# EAGLE board Mk4 Final a Panel score (EAGLE 9.0.1), part 15 of 24 (continued)
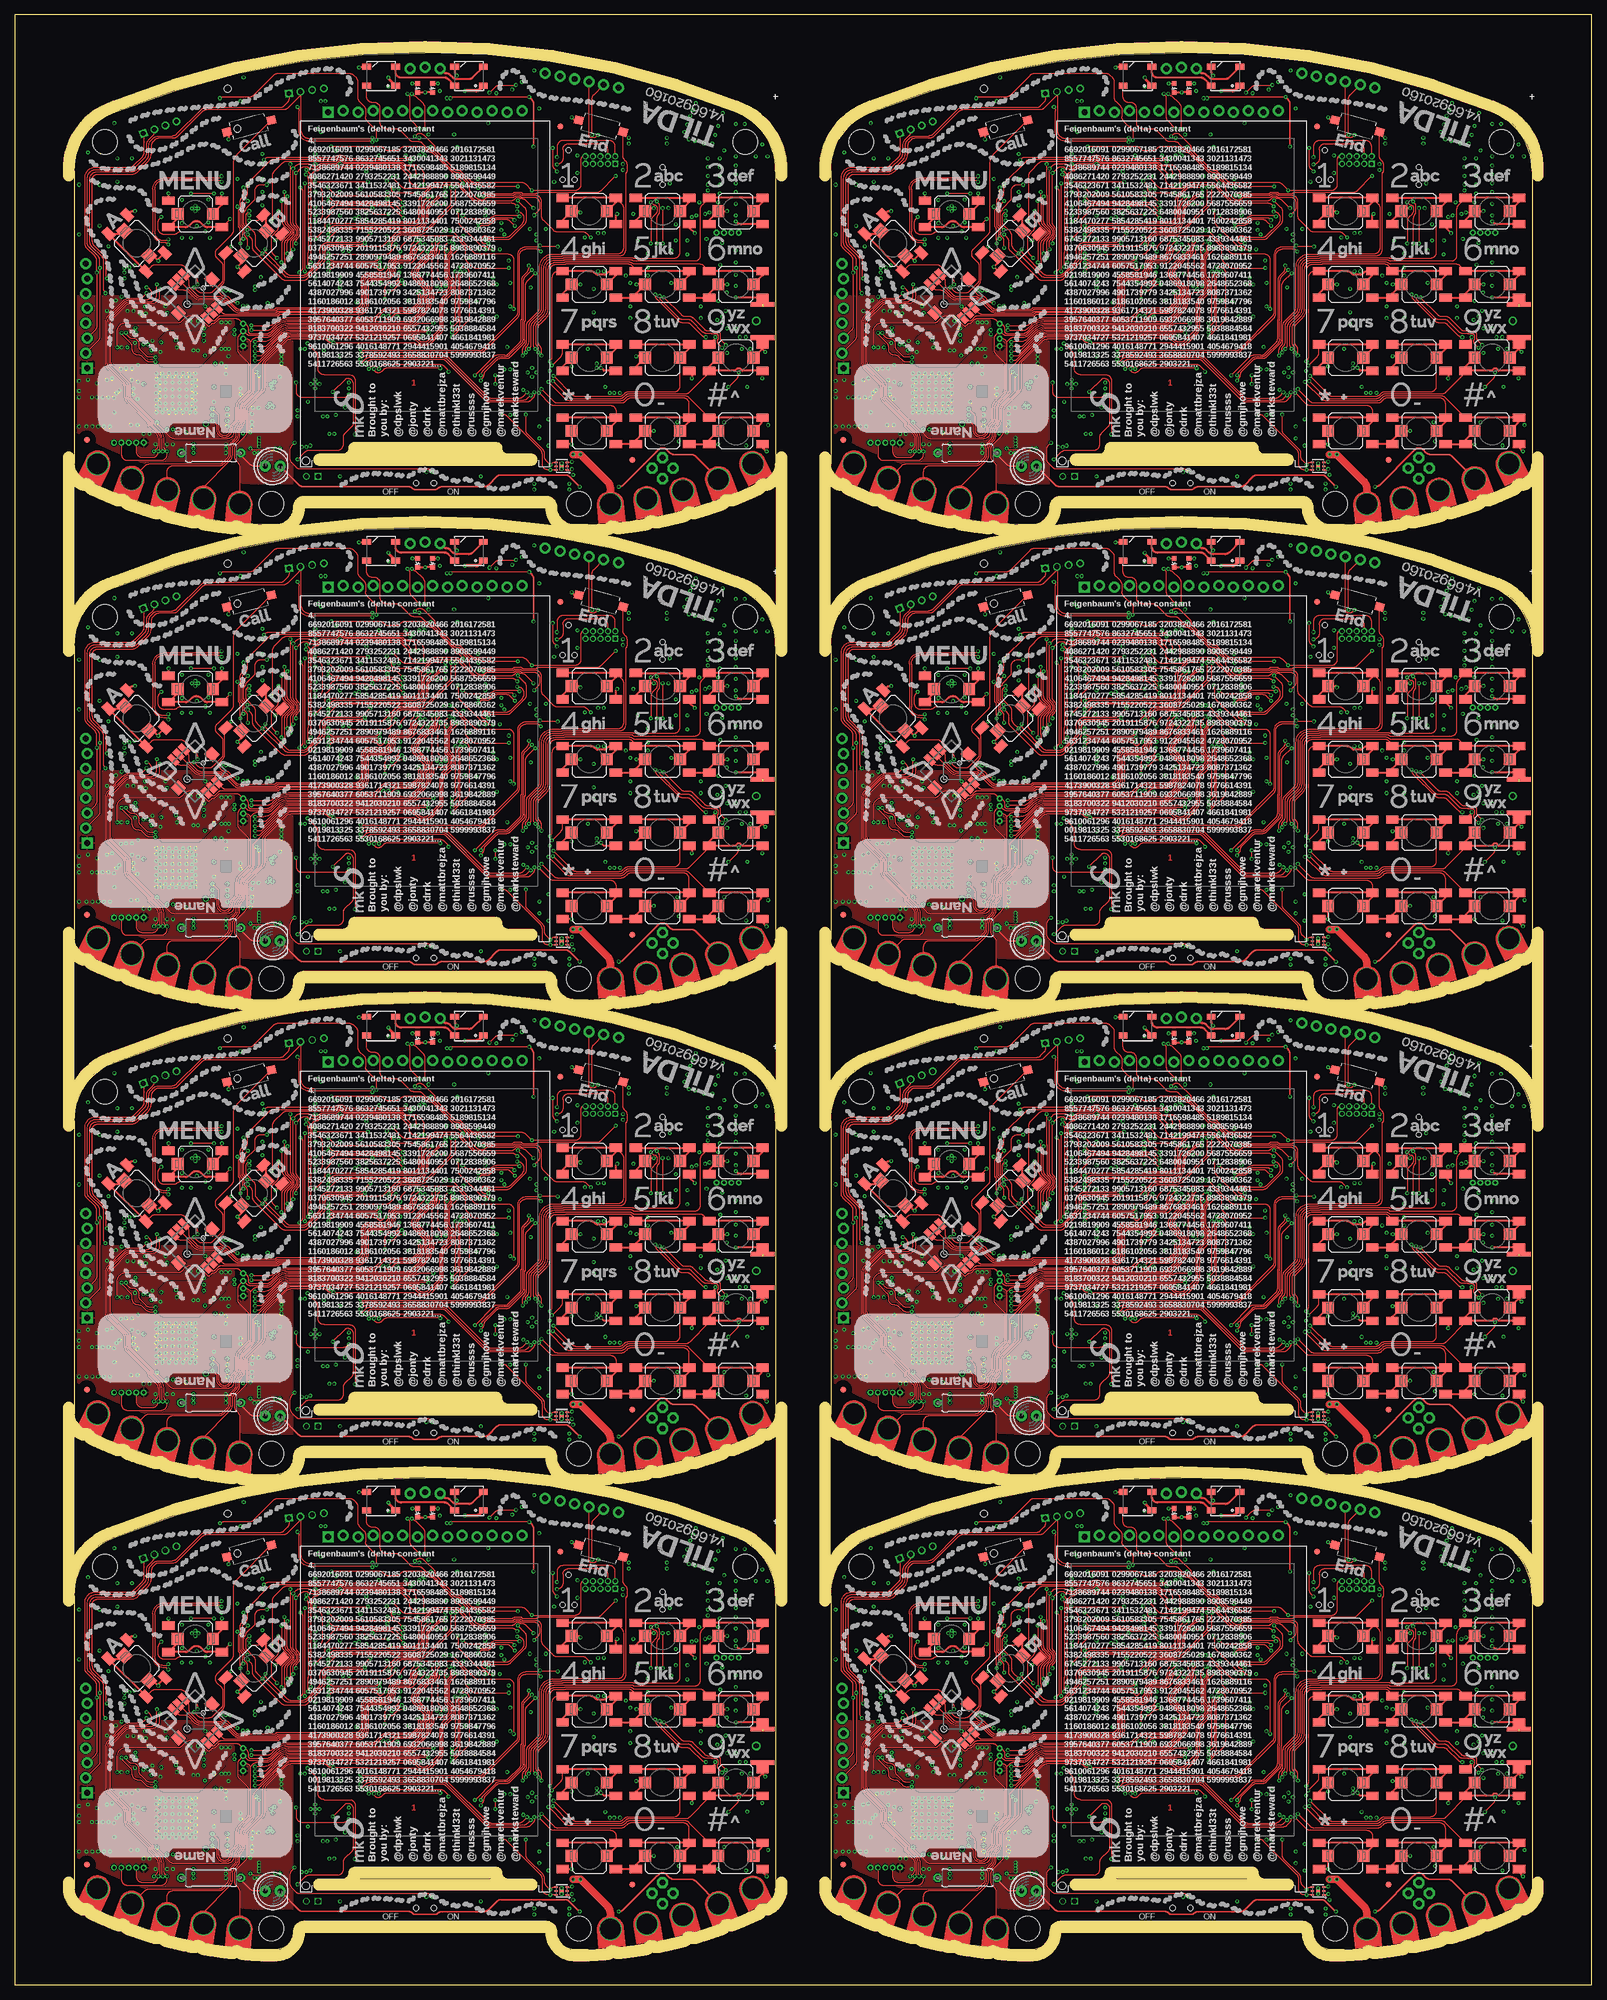
[diagram p0: board, top side]
## Tracks (layer width: path | path; a pad name or v marks a point on that pad's centre or on a via) (continued)
MIC_SWITCHED_P  (via drill 0.3)
  3V3@2 0.2: v39.06,82.32 arc-14 70,85.5 arc-7 89,84.5 arc-12 108.75,80 112,76.75 112,64.5 v111.75,64.25
  Bottom 0.2: IC12.2 103.54,60.05 arc-90 103.74,60.25 106,60.25 106.08,60.33 106.41,60.33 arc45 107.12,60.62 108.11,61.62 arc-45 108.25,61.67 108.81,61.67 arc45 109.17,61.82 109.52,62.17 arc-45 109.66,62.23 111.25,62.23 arc90 111.75,62.73 v111.75,64.25 112.5,65 113,65 113.47,65.47 S22.2 | J9.1 39.77,81.19 arc45 39.48,81.9 v39.06,82.32
MIC_SWITCHED_P1  (via drill 0.3)
  3V3@2 0.2: v168.06,82.32 arc-14 199,85.5 arc-7 218,84.5 arc-12 237.75,80 241,76.75 241,64.5 v240.75,64.25
  Bottom 0.2: IC27.2 232.54,60.05 arc-90 232.74,60.25 235,60.25 235.07,60.33 235.41,60.33 arc45 236.12,60.62 237.11,61.62 arc-45 237.25,61.67 237.81,61.67 arc45 238.17,61.82 238.51,62.17 arc-45 238.66,62.23 240.25,62.23 arc90 240.75,62.73 v240.75,64.25 241.5,65 242,65 242.47,65.47 S42.2 | J17.1 168.78,81.19 arc45 168.48,81.9 v168.06,82.32
MIC_SWITCHED_P2  (via drill 0.3)
  3V3@2 0.2: v39.06,163.32 arc-14 70,166.5 arc-7 89,165.5 arc-12 108.75,161 112,157.75 112,145.5 v111.75,145.25
  Bottom 0.2: IC45.2 103.54,141.05 arc-90 103.74,141.25 106,141.25 106.08,141.32 106.41,141.32 arc45 107.12,141.62 108.11,142.62 arc-45 108.25,142.68 108.81,142.68 arc45 109.17,142.82 109.52,143.17 arc-45 109.66,143.23 111.25,143.23 arc90 111.75,143.73 v111.75,145.25 112.5,146 113,146 113.47,146.47 S63.2 | J27.1 39.77,162.19 arc45 39.48,162.9 v39.06,163.32
MIC_SWITCHED_P3  (via drill 0.3)
  3V3@2 0.2: v168.06,163.32 arc-14 199,166.5 arc-7 218,165.5 arc-12 237.75,161 241,157.75 241,145.5 v240.75,145.25
  Bottom 0.2: IC63.2 232.54,141.05 arc-90 232.74,141.25 235,141.25 235.07,141.32 235.41,141.32 arc45 236.12,141.62 237.11,142.62 arc-45 237.25,142.68 237.81,142.68 arc45 238.17,142.82 238.51,143.17 arc-45 238.66,143.23 240.25,143.23 arc90 240.75,143.73 v240.75,145.25 241.5,146 242,146 242.47,146.47 S84.2 | J37.1 168.78,162.19 arc45 168.48,162.9 v168.06,163.32
MIC_SWITCHED_P4  (via drill 0.3)
  3V3@2 0.2: v39.06,244.32 arc-14 70,247.5 arc-7 89,246.5 arc-12 108.75,242 112,238.75 112,226.5 v111.75,226.25
  Bottom 0.2: IC81.2 103.54,222.05 arc-90 103.74,222.25 106,222.25 106.08,222.32 106.41,222.32 arc45 107.12,222.62 108.11,223.62 arc-45 108.25,223.68 108.81,223.68 arc45 109.17,223.82 109.52,224.17 arc-45 109.66,224.23 111.25,224.23 arc90 111.75,224.73 v111.75,226.25 112.5,227 113,227 113.47,227.47 S105.2 | J47.1 39.77,243.19 arc45 39.48,243.9 v39.06,244.32
MIC_SWITCHED_P5  (via drill 0.3)
  3V3@2 0.2: v168.06,244.32 arc-14 199,247.5 arc-7 218,246.5 arc-12 237.75,242 241,238.75 241,226.5 v240.75,226.25
  Bottom 0.2: IC99.2 232.54,222.05 arc-90 232.74,222.25 235,222.25 235.07,222.32 235.41,222.32 arc45 236.12,222.62 237.11,223.62 arc-45 237.25,223.68 237.81,223.68 arc45 238.17,223.82 238.51,224.17 arc-45 238.66,224.23 240.25,224.23 arc90 240.75,224.73 v240.75,226.25 241.5,227 242,227 242.47,227.47 S126.2 | J57.1 168.78,243.19 arc45 168.48,243.9 v168.06,244.32
MIC_SWITCHED_P6  (via drill 0.3)
  3V3@2 0.2: v39.06,325.32 arc-14 70,328.5 arc-7 89,327.5 arc-12 108.75,323 112,319.75 112,307.5 v111.75,307.25
  Bottom 0.2: IC117.2 103.54,303.05 arc-90 103.74,303.25 106,303.25 106.08,303.32 106.41,303.32 arc45 107.12,303.62 108.11,304.62 arc-45 108.25,304.68 108.81,304.68 arc45 109.17,304.82 109.52,305.17 arc-45 109.66,305.23 111.25,305.23 arc90 111.75,305.73 v111.75,307.25 112.5,308 113,308 113.47,308.48 S147.2 | J67.1 39.77,324.19 arc45 39.48,324.9 v39.06,325.32
MIC_SWITCHED_P7  (via drill 0.3)
  3V3@2 0.2: v168.06,325.32 arc-14 199,328.5 arc-7 218,327.5 arc-12 237.75,323 241,319.75 241,307.5 v240.75,307.25
  Bottom 0.2: IC135.2 232.54,303.05 arc-90 232.74,303.25 235,303.25 235.07,303.32 235.41,303.32 arc45 236.12,303.62 237.11,304.62 arc-45 237.25,304.68 237.81,304.68 arc45 238.17,304.82 238.51,305.17 arc-45 238.66,305.23 240.25,305.23 arc90 240.75,305.73 v240.75,307.25 241.5,308 242,308 242.47,308.48 S168.2 | J77.1 168.78,324.19 arc45 168.48,324.9 v168.06,325.32
MUX_A  (via drill 0.3)
  Top 0.15: v79.15,62.2 79.4,62.45 arc-45 79.76,62.6 79.91,62.6 arc-45 80.15,62.5 84.9,62.5 arc45 85.04,62.56 85.15,62.67 arc-45 85.29,62.73 86.31,62.73 arc-45 86.45,62.67 86.56,62.56 arc45 86.7,62.5 88.89,62.5 arc45 89.08,62.58 arc-45 89.43,62.73 99.31,62.73 arc45 100.02,63.02 v102.5,65.5
  Bottom 0.15: IC1.105 78.95,62 v79.15,62.2
  Bottom 0.2: IC12.12 102.27,65.27 v102.5,65.5 R56.1 103.54,65.29 IC12.13
MUX_A1  (via drill 0.3)
  Top 0.15: v208.15,62.2 208.4,62.45 arc-45 208.76,62.6 208.91,62.6 arc-45 209.15,62.5 213.9,62.5 arc45 214.04,62.56 214.15,62.67 arc-45 214.29,62.73 215.31,62.73 arc-45 215.45,62.67 215.56,62.56 arc45 215.7,62.5 217.89,62.5 arc45 218.08,62.58 arc-45 218.43,62.73 228.31,62.73 arc45 229.02,63.02 v231.5,65.5
  Bottom 0.15: IC20.105 207.95,62 v208.15,62.2
  Bottom 0.2: IC27.12 231.27,65.27 v231.5,65.5 R134.1 232.54,65.29 IC27.13
MUX_A2  (via drill 0.3)
  Top 0.15: v79.15,143.2 79.4,143.45 arc-45 79.76,143.6 79.91,143.6 arc-45 80.15,143.5 84.9,143.5 arc45 85.04,143.56 85.15,143.67 arc-45 85.29,143.72 86.31,143.72 arc-45 86.45,143.67 86.56,143.56 arc45 86.7,143.5 88.89,143.5 arc45 89.08,143.58 arc-45 89.43,143.72 99.31,143.72 arc45 100.02,144.02 v102.5,146.5
  Bottom 0.15: IC38.105 78.95,143 v79.15,143.2
  Bottom 0.2: IC45.12 102.27,146.27 v102.5,146.5 R212.1 103.54,146.29 IC45.13
MUX_A3  (via drill 0.3)
  Top 0.15: v208.15,143.2 208.4,143.45 arc-45 208.76,143.6 208.91,143.6 arc-45 209.15,143.5 213.9,143.5 arc45 214.04,143.56 214.15,143.67 arc-45 214.29,143.72 215.31,143.72 arc-45 215.45,143.67 215.56,143.56 arc45 215.7,143.5 217.89,143.5 arc45 218.08,143.58 arc-45 218.43,143.72 228.31,143.72 arc45 229.02,144.02 v231.5,146.5
  Bottom 0.15: IC56.105 207.95,143 v208.15,143.2
  Bottom 0.2: IC63.12 231.27,146.27 v231.5,146.5 R290.1 232.54,146.29 IC63.13
MUX_A4  (via drill 0.3)
  Top 0.15: v79.15,224.2 79.4,224.45 arc-45 79.76,224.6 79.91,224.6 arc-45 80.15,224.5 84.9,224.5 arc45 85.04,224.56 85.15,224.67 arc-45 85.29,224.72 86.31,224.72 arc-45 86.45,224.67 86.56,224.56 arc45 86.7,224.5 88.89,224.5 arc45 89.08,224.58 arc-45 89.43,224.72 99.31,224.72 arc45 100.02,225.02 v102.5,227.5
  Bottom 0.15: IC74.105 78.95,224 v79.15,224.2
  Bottom 0.2: IC81.12 102.27,227.27 v102.5,227.5 R368.1 103.54,227.29 IC81.13
MUX_A5  (via drill 0.3)
  Top 0.15: v208.15,224.2 208.4,224.45 arc-45 208.76,224.6 208.91,224.6 arc-45 209.15,224.5 213.9,224.5 arc45 214.04,224.56 214.15,224.67 arc-45 214.29,224.72 215.31,224.72 arc-45 215.45,224.67 215.56,224.56 arc45 215.7,224.5 217.89,224.5 arc45 218.08,224.58 arc-45 218.43,224.72 228.31,224.72 arc45 229.02,225.02 v231.5,227.5
  Bottom 0.15: IC92.105 207.95,224 v208.15,224.2
  Bottom 0.2: IC99.12 231.27,227.27 v231.5,227.5 R446.1 232.54,227.29 IC99.13
MUX_A6  (via drill 0.3)
  Top 0.15: v79.15,305.2 79.4,305.45 arc-45 79.76,305.6 79.91,305.6 arc-45 80.15,305.5 84.9,305.5 arc45 85.04,305.56 85.15,305.67 arc-45 85.29,305.73 86.31,305.73 arc-45 86.45,305.67 86.56,305.56 arc45 86.7,305.5 88.89,305.5 arc45 89.08,305.58 arc-45 89.43,305.73 99.31,305.73 arc45 100.02,306.02 v102.5,308.5
  Bottom 0.15: IC110.105 78.95,305 v79.15,305.2
  Bottom 0.2: IC117.12 102.27,308.27 v102.5,308.5 R524.1 103.54,308.29 IC117.13
MUX_A7  (via drill 0.3)
  Top 0.15: v208.15,305.2 208.4,305.45 arc-45 208.76,305.6 208.91,305.6 arc-45 209.15,305.5 213.9,305.5 arc45 214.04,305.56 214.15,305.67 arc-45 214.29,305.73 215.31,305.73 arc-45 215.45,305.67 215.56,305.56 arc45 215.7,305.5 217.89,305.5 arc45 218.08,305.58 arc-45 218.43,305.73 228.31,305.73 arc45 229.02,306.02 v231.5,308.5
  Bottom 0.15: IC128.105 207.95,305 v208.15,305.2
  Bottom 0.2: IC135.12 231.27,308.27 v231.5,308.5 R602.1 232.54,308.29 IC135.13
MUX_B  (via drill 0.3)
  Top 0.15: v98.25,55 97.54,55.71 arc45 96.84,56 92.51,56 arc-45 91.81,56.29 90.09,58.01 arc-45 89.8,58.71 89.8,61.2 arc90 88.8,62.2 86.57,62.2 arc-45 86.43,62.26 86.33,62.37 arc45 86.18,62.42 85.42,62.42 arc45 85.28,62.37 85.17,62.26 arc-45 85.03,62.2 80.31,62.2 arc45 79.95,62.05 v79.9,62
  Bottom 0.15: R55.2 v98.25,55 | IC1.106 79.5,61.6 v79.9,62
  Bottom 0.2: IC12.6 98.46,55.96 R55.2 98.31,55.75 arc45 99.02,56.04 99.27,56.3 99.3,56.3 99.73,56.73 IC12.5
MUX_B1  (via drill 0.3)
  Top 0.15: v227.25,55 226.54,55.71 arc45 225.84,56 221.51,56 arc-45 220.81,56.29 219.09,58.01 arc-45 218.8,58.71 218.8,61.2 arc90 217.8,62.2 215.57,62.2 arc-45 215.43,62.26 215.32,62.37 arc45 215.18,62.42 214.42,62.42 arc45 214.28,62.37 214.17,62.26 arc-45 214.03,62.2 209.31,62.2 arc45 208.95,62.05 v208.9,62
  Bottom 0.15: R133.2 v227.25,55 | IC20.106 208.5,61.6 v208.9,62
  Bottom 0.2: IC27.6 227.46,55.96 R133.2 227.31,55.75 arc45 228.01,56.04 228.27,56.3 228.3,56.3 228.73,56.73 IC27.5
MUX_B2  (via drill 0.3)
  Top 0.15: v98.25,136 97.54,136.71 arc45 96.84,137 92.51,137 arc-45 91.81,137.29 90.09,139.01 arc-45 89.8,139.71 89.8,142.2 arc90 88.8,143.2 86.57,143.2 arc-45 86.43,143.26 86.33,143.37 arc45 86.18,143.43 85.42,143.43 arc45 85.28,143.37 85.17,143.26 arc-45 85.03,143.2 80.31,143.2 arc45 79.95,143.05 v79.9,143
  Bottom 0.15: R211.2 v98.25,136 | IC38.106 79.5,142.6 v79.9,143
  Bottom 0.2: IC45.6 98.46,136.96 R211.2 98.31,136.75 arc45 99.02,137.04 99.27,137.3 99.3,137.3 99.73,137.73 IC45.5
MUX_B3  (via drill 0.3)
  Top 0.15: v227.25,136 226.54,136.71 arc45 225.84,137 221.51,137 arc-45 220.81,137.29 219.09,139.01 arc-45 218.8,139.71 218.8,142.2 arc90 217.8,143.2 215.57,143.2 arc-45 215.43,143.26 215.32,143.37 arc45 215.18,143.43 214.42,143.43 arc45 214.28,143.37 214.17,143.26 arc-45 214.03,143.2 209.31,143.2 arc45 208.95,143.05 v208.9,143
  Bottom 0.15: R289.2 v227.25,136 | IC56.106 208.5,142.6 v208.9,143
  Bottom 0.2: IC63.6 227.46,136.96 R289.2 227.31,136.75 arc45 228.01,137.04 228.27,137.3 228.3,137.3 228.73,137.73 IC63.5
MUX_B4  (via drill 0.3)
  Top 0.15: v98.25,217 97.54,217.71 arc45 96.84,218 92.51,218 arc-45 91.81,218.29 90.09,220.01 arc-45 89.8,220.71 89.8,223.2 arc90 88.8,224.2 86.57,224.2 arc-45 86.43,224.26 86.33,224.37 arc45 86.18,224.43 85.42,224.43 arc45 85.28,224.37 85.17,224.26 arc-45 85.03,224.2 80.31,224.2 arc45 79.95,224.05 v79.9,224
  Bottom 0.15: R367.2 v98.25,217 | IC74.106 79.5,223.6 v79.9,224
  Bottom 0.2: IC81.6 98.46,217.96 R367.2 98.31,217.75 arc45 99.02,218.04 99.27,218.3 99.3,218.3 99.73,218.73 IC81.5
MUX_B5  (via drill 0.3)
  Top 0.15: v227.25,217 226.54,217.71 arc45 225.84,218 221.51,218 arc-45 220.81,218.29 219.09,220.01 arc-45 218.8,220.71 218.8,223.2 arc90 217.8,224.2 215.57,224.2 arc-45 215.43,224.26 215.32,224.37 arc45 215.18,224.43 214.42,224.43 arc45 214.28,224.37 214.17,224.26 arc-45 214.03,224.2 209.31,224.2 arc45 208.95,224.05 v208.9,224
  Bottom 0.15: R445.2 v227.25,217 | IC92.106 208.5,223.6 v208.9,224
  Bottom 0.2: IC99.6 227.46,217.96 R445.2 227.31,217.75 arc45 228.01,218.04 228.27,218.3 228.3,218.3 228.73,218.73 IC99.5
MUX_B6  (via drill 0.3)
  Top 0.15: v98.25,298 97.54,298.71 arc45 96.84,299 92.51,299 arc-45 91.81,299.29 90.09,301.01 arc-45 89.8,301.71 89.8,304.2 arc90 88.8,305.2 86.57,305.2 arc-45 86.43,305.26 86.33,305.37 arc45 86.18,305.43 85.42,305.43 arc45 85.28,305.37 85.17,305.26 arc-45 85.03,305.2 80.31,305.2 arc45 79.95,305.05 v79.9,305
  Bottom 0.15: R523.2 v98.25,298 | IC110.106 79.5,304.6 v79.9,305
  Bottom 0.2: IC117.6 98.46,298.96 R523.2 98.31,298.75 arc45 99.02,299.04 99.27,299.3 99.3,299.3 99.73,299.73 IC117.5
MUX_B7  (via drill 0.3)
  Top 0.15: v227.25,298 226.54,298.71 arc45 225.84,299 221.51,299 arc-45 220.81,299.29 219.09,301.01 arc-45 218.8,301.71 218.8,304.2 arc90 217.8,305.2 215.57,305.2 arc-45 215.43,305.26 215.32,305.37 arc45 215.18,305.43 214.42,305.43 arc45 214.28,305.37 214.17,305.26 arc-45 214.03,305.2 209.31,305.2 arc45 208.95,305.05 v208.9,305
  Bottom 0.15: R601.2 v227.25,298 | IC128.106 208.5,304.6 v208.9,305
  Bottom 0.2: IC135.6 227.46,298.96 R601.2 227.31,298.75 arc45 228.01,299.04 228.27,299.3 228.3,299.3 228.73,299.73 IC135.5
N$1
  cutout GND@3 (no thermals): 31.9,34.9 31.9,34.85 31.9,34.9 32.24,35.24 arc-90 32.66,35.24 32.84,35.06 arc-90 32.84,34.64 30.15,31.95 30.15,31.8 arc-90 29.85,31.5 29.75,31.5 arc-90 29.45,31.8 29.45,32.4 31.9,34.85
N$2
  cutout GND@3 (no thermals): 27.1,36.5 27.1,32.8 27.85,32.05 27.85,31.75 arc-90 27.55,31.45 27.45,31.45 arc-90 27.15,31.75 26.4,32.5 26.4,37 27.29,37.89 arc-90 27.71,37.89 27.89,37.71 arc-90 27.89,37.29
N$3
  cutout GND@3 (no thermals): 26.1,36.6 26.1,32.6 26.65,32.05 26.65,31.75 arc-90 26.35,31.45 26.25,31.45 arc-90 25.95,31.75 25.4,32.3 25.4,36.1 24.61,36.89 arc-90 24.61,37.31 24.79,37.49 arc-90 25.21,37.49
N$4
  cutout 3V3@2: 90.1,11 90.1,14.75 94.1,14.75 94.1,11
  cutout GND@3: 90.1,11 90.1,14.75 94.1,14.75 94.1,11
N$5
  cutout GND@3 (no thermals): 160.9,34.9 160.9,34.85 160.9,34.9 161.24,35.24 arc-90 161.66,35.24 161.84,35.06 arc-90 161.84,34.64 159.15,31.95 159.15,31.8 arc-90 158.85,31.5 158.75,31.5 arc-90 158.45,31.8 158.45,32.4 160.9,34.85
N$6
  cutout GND@3 (no thermals): 156.1,36.5 156.1,32.8 156.85,32.05 156.85,31.75 arc-90 156.55,31.45 156.45,31.45 arc-90 156.15,31.75 155.4,32.5 155.4,37 156.29,37.89 arc-90 156.71,37.89 156.89,37.71 arc-90 156.89,37.29
N$7
  cutout GND@3 (no thermals): 155.1,36.6 155.1,32.6 155.65,32.05 155.65,31.75 arc-90 155.35,31.45 155.25,31.45 arc-90 154.95,31.75 154.4,32.3 154.4,36.1 153.61,36.89 arc-90 153.61,37.31 153.79,37.49 arc-90 154.21,37.49
N$8
  cutout 3V3@2: 219.1,11 219.1,14.75 223.1,14.75 223.1,11
  cutout GND@3: 219.1,11 219.1,14.75 223.1,14.75 223.1,11
N$9
  cutout GND@3 (no thermals): 31.9,115.9 31.9,115.85 31.9,115.9 32.24,116.24 arc-90 32.66,116.24 32.84,116.06 arc-90 32.84,115.64 30.15,112.95 30.15,112.8 arc-90 29.85,112.5 29.75,112.5 arc-90 29.45,112.8 29.45,113.4 31.9,115.85
N$10
  cutout GND@3 (no thermals): 27.1,117.5 27.1,113.8 27.85,113.05 27.85,112.75 arc-90 27.55,112.45 27.45,112.45 arc-90 27.15,112.75 26.4,113.5 26.4,118 27.29,118.89 arc-90 27.71,118.89 27.89,118.71 arc-90 27.89,118.29
N$11
  cutout GND@3 (no thermals): 26.1,117.6 26.1,113.6 26.65,113.05 26.65,112.75 arc-90 26.35,112.45 26.25,112.45 arc-90 25.95,112.75 25.4,113.3 25.4,117.1 24.61,117.89 arc-90 24.61,118.31 24.79,118.49 arc-90 25.21,118.49
N$12
  cutout 3V3@2: 90.1,92 90.1,95.75 94.1,95.75 94.1,92
  cutout GND@3: 90.1,92 90.1,95.75 94.1,95.75 94.1,92
N$13
  cutout GND@3 (no thermals): 160.9,115.9 160.9,115.85 160.9,115.9 161.24,116.24 arc-90 161.66,116.24 161.84,116.06 arc-90 161.84,115.64 159.15,112.95 159.15,112.8 arc-90 158.85,112.5 158.75,112.5 arc-90 158.45,112.8 158.45,113.4 160.9,115.85
N$14
  cutout GND@3 (no thermals): 156.1,117.5 156.1,113.8 156.85,113.05 156.85,112.75 arc-90 156.55,112.45 156.45,112.45 arc-90 156.15,112.75 155.4,113.5 155.4,118 156.29,118.89 arc-90 156.71,118.89 156.89,118.71 arc-90 156.89,118.29
N$15
  cutout GND@3 (no thermals): 155.1,117.6 155.1,113.6 155.65,113.05 155.65,112.75 arc-90 155.35,112.45 155.25,112.45 arc-90 154.95,112.75 154.4,113.3 154.4,117.1 153.61,117.89 arc-90 153.61,118.31 153.79,118.49 arc-90 154.21,118.49
N$16
  cutout 3V3@2: 219.1,92 219.1,95.75 223.1,95.75 223.1,92
  cutout GND@3: 219.1,92 219.1,95.75 223.1,95.75 223.1,92
N$17
  cutout GND@3 (no thermals): 31.9,196.9 31.9,196.85 31.9,196.9 32.24,197.24 arc-90 32.66,197.24 32.84,197.06 arc-90 32.84,196.64 30.15,193.95 30.15,193.8 arc-90 29.85,193.5 29.75,193.5 arc-90 29.45,193.8 29.45,194.4 31.9,196.85
N$18
  cutout GND@3 (no thermals): 27.1,198.5 27.1,194.8 27.85,194.05 27.85,193.75 arc-90 27.55,193.45 27.45,193.45 arc-90 27.15,193.75 26.4,194.5 26.4,199 27.29,199.89 arc-90 27.71,199.89 27.89,199.71 arc-90 27.89,199.29
N$19
  cutout GND@3 (no thermals): 26.1,198.6 26.1,194.6 26.65,194.05 26.65,193.75 arc-90 26.35,193.45 26.25,193.45 arc-90 25.95,193.75 25.4,194.3 25.4,198.1 24.61,198.89 arc-90 24.61,199.31 24.79,199.49 arc-90 25.21,199.49
N$20
  cutout 3V3@2: 90.1,173 90.1,176.75 94.1,176.75 94.1,173
  cutout GND@3: 90.1,173 90.1,176.75 94.1,176.75 94.1,173
N$21
  cutout GND@3 (no thermals): 160.9,196.9 160.9,196.85 160.9,196.9 161.24,197.24 arc-90 161.66,197.24 161.84,197.06 arc-90 161.84,196.64 159.15,193.95 159.15,193.8 arc-90 158.85,193.5 158.75,193.5 arc-90 158.45,193.8 158.45,194.4 160.9,196.85
N$22
  cutout GND@3 (no thermals): 156.1,198.5 156.1,194.8 156.85,194.05 156.85,193.75 arc-90 156.55,193.45 156.45,193.45 arc-90 156.15,193.75 155.4,194.5 155.4,199 156.29,199.89 arc-90 156.71,199.89 156.89,199.71 arc-90 156.89,199.29
N$23
  cutout GND@3 (no thermals): 155.1,198.6 155.1,194.6 155.65,194.05 155.65,193.75 arc-90 155.35,193.45 155.25,193.45 arc-90 154.95,193.75 154.4,194.3 154.4,198.1 153.61,198.89 arc-90 153.61,199.31 153.79,199.49 arc-90 154.21,199.49
N$24
  cutout 3V3@2: 219.1,173 219.1,176.75 223.1,176.75 223.1,173
  cutout GND@3: 219.1,173 219.1,176.75 223.1,176.75 223.1,173
N$25
  cutout GND@3 (no thermals): 31.9,277.9 31.9,277.85 31.9,277.9 32.24,278.24 arc-90 32.66,278.24 32.84,278.06 arc-90 32.84,277.64 30.15,274.95 30.15,274.8 arc-90 29.85,274.5 29.75,274.5 arc-90 29.45,274.8 29.45,275.4 31.9,277.85
N$26
  cutout GND@3 (no thermals): 27.1,279.5 27.1,275.8 27.85,275.05 27.85,274.75 arc-90 27.55,274.45 27.45,274.45 arc-90 27.15,274.75 26.4,275.5 26.4,280 27.29,280.89 arc-90 27.71,280.89 27.89,280.71 arc-90 27.89,280.29
N$27
  cutout GND@3 (no thermals): 26.1,279.6 26.1,275.6 26.65,275.05 26.65,274.75 arc-90 26.35,274.45 26.25,274.45 arc-90 25.95,274.75 25.4,275.3 25.4,279.1 24.61,279.89 arc-90 24.61,280.31 24.79,280.49 arc-90 25.21,280.49
N$28
  cutout 3V3@2: 90.1,254 90.1,257.75 94.1,257.75 94.1,254
  cutout GND@3: 90.1,254 90.1,257.75 94.1,257.75 94.1,254
N$29
  cutout GND@3 (no thermals): 160.9,277.9 160.9,277.85 160.9,277.9 161.24,278.24 arc-90 161.66,278.24 161.84,278.06 arc-90 161.84,277.64 159.15,274.95 159.15,274.8 arc-90 158.85,274.5 158.75,274.5 arc-90 158.45,274.8 158.45,275.4 160.9,277.85
N$30
  cutout GND@3 (no thermals): 156.1,279.5 156.1,275.8 156.85,275.05 156.85,274.75 arc-90 156.55,274.45 156.45,274.45 arc-90 156.15,274.75 155.4,275.5 155.4,280 156.29,280.89 arc-90 156.71,280.89 156.89,280.71 arc-90 156.89,280.29
N$31
  cutout GND@3 (no thermals): 155.1,279.6 155.1,275.6 155.65,275.05 155.65,274.75 arc-90 155.35,274.45 155.25,274.45 arc-90 154.95,274.75 154.4,275.3 154.4,279.1 153.61,279.89 arc-90 153.61,280.31 153.79,280.49 arc-90 154.21,280.49
N$32
  cutout 3V3@2: 219.1,254 219.1,257.75 223.1,257.75 223.1,254
  cutout GND@3: 219.1,254 219.1,257.75 223.1,257.75 223.1,254
NETLIGHT_R
  Bottom 0.15: IC5.41 107.2,38 arc-90 106.2,37 100.75,37 R42.2
NETLIGHT_R1
  Bottom 0.15: IC21.41 236.2,38 arc-90 235.2,37 229.75,37 R124.2
NETLIGHT_R2
  Bottom 0.15: IC39.41 107.2,119 arc-90 106.2,118 100.75,118 R202.2
NETLIGHT_R3
  Bottom 0.15: IC57.41 236.2,119 arc-90 235.2,118 229.75,118 R280.2
NETLIGHT_R4
  Bottom 0.15: IC75.41 107.2,200 arc-90 106.2,199 100.75,199 R358.2
NETLIGHT_R5
  Bottom 0.15: IC93.41 236.2,200 arc-90 235.2,199 229.75,199 R436.2
NETLIGHT_R6
  Bottom 0.15: IC111.41 107.2,281 arc-90 106.2,280 100.75,280 R514.2
NETLIGHT_R7
  Bottom 0.15: IC129.41 236.2,281 arc-90 235.2,280 229.75,280 R592.2
OSC0
  Bottom 0.15: IC1.88 73,70.2 C16.2 72.75,71.91 arc45 72.46,72.62 X2.1
OSC1
  Bottom 0.15: IC1.89 73.4,68.1 R6.1
OSC1_R
  Bottom 0.15: R6.2 C17.2 73.75,71.47 X2.3
OSC1_R1
  Bottom 0.15: R90.2 C127.2 202.75,71.47 X6.3
OSC1_R2
  Bottom 0.15: R168.2 C235.2 73.75,152.47 X10.3
OSC1_R3
  Bottom 0.15: R246.2 C343.2 202.75,152.47 X14.3
OSC1_R4
  Bottom 0.15: R324.2 C451.2 73.75,233.47 X18.3
OSC1_R5
  Bottom 0.15: R402.2 C559.2 202.75,233.47 X22.3
OSC1_R6
  Bottom 0.15: R480.2 C667.2 73.75,314.48 X26.3
OSC1_R7
  Bottom 0.15: R558.2 C775.2 202.75,314.48 X30.3
OSC2
  Bottom 0.15: IC20.88 202,70.2 C126.2 201.75,71.91 arc45 201.46,72.62 X6.1
OSC3
  Bottom 0.15: IC20.89 202.4,68.1 R90.1
OSC4
  Bottom 0.15: IC38.88 73,151.2 C234.2 72.75,152.91 arc45 72.46,153.62 X10.1
OSC5
  Bottom 0.15: IC38.89 73.4,149.1 R168.1
OSC6
  Bottom 0.15: IC56.88 202,151.2 C342.2 201.75,152.91 arc45 201.46,153.62 X14.1
OSC7
  Bottom 0.15: IC56.89 202.4,149.1 R246.1
OSC8
  Bottom 0.15: IC74.88 73,232.2 C450.2 72.75,233.91 arc45 72.46,234.62 X18.1
OSC9
  Bottom 0.15: IC74.89 73.4,230.1 R324.1
OSC10
  Bottom 0.15: IC92.88 202,232.2 C558.2 201.75,233.91 arc45 201.46,234.62 X22.1
OSC11
  Bottom 0.15: IC92.89 202.4,230.1 R402.1
OSC12
  Bottom 0.15: IC110.88 73,313.2 C666.2 72.75,314.91 arc45 72.46,315.62 X26.1
OSC13
  Bottom 0.15: IC110.89 73.4,311.1 R480.1
OSC14
  Bottom 0.15: IC128.88 202,313.2 C774.2 201.75,314.91 arc45 201.46,315.62 X30.1
OSC15
  Bottom 0.15: IC128.89 202.4,311.1 R558.1
POWER_SWITCH  (via drill 0.3)
  Top 0.15: v71.25,15 71.02,15.23 arc45 70.31,15.53 70.03,15.53 70.01,15.5 48.71,15.5 arc-45 48.01,15.79 47.32,16.48 arc-45 47.02,17.19 47.02,18.86 arc-45 47.32,19.57 v47.75,20
  Bottom 0.15: Q3.4 48.3,20.2 R13.1 v47.75,20 | S18.3 71.61,14.85 arc-45 v71.25,15
POWER_SWITCH1  (via drill 0.3)
  Top 0.15: v200.25,15 200.02,15.23 arc45 199.31,15.53 199.03,15.53 199.01,15.5 177.71,15.5 arc-45 177.01,15.79 176.32,16.48 arc-45 176.03,17.19 176.03,18.86 arc-45 176.32,19.57 v176.75,20
  Bottom 0.15: Q7.4 177.3,20.2 R96.1 v176.75,20 | S39.3 200.61,14.85 arc-45 v200.25,15
POWER_SWITCH2  (via drill 0.3)
  Top 0.15: v71.25,96 71.02,96.23 arc45 70.31,96.53 70.03,96.53 70.01,96.5 48.71,96.5 arc-45 48.01,96.79 47.32,97.48 arc-45 47.02,98.19 47.02,99.86 arc-45 47.32,100.57 v47.75,101
  Bottom 0.15: Q12.4 48.3,101.2 R174.1 v47.75,101 | S60.3 71.61,95.85 arc-45 v71.25,96
POWER_SWITCH3  (via drill 0.3)
  Top 0.15: v200.25,96 200.02,96.23 arc45 199.31,96.53 199.03,96.53 199.01,96.5 177.71,96.5 arc-45 177.01,96.79 176.32,97.48 arc-45 176.03,98.19 176.03,99.86 arc-45 176.32,100.57 v176.75,101
  Bottom 0.15: Q16.4 177.3,101.2 R252.1 v176.75,101 | S81.3 200.61,95.85 arc-45 v200.25,96
POWER_SWITCH4  (via drill 0.3)
  Top 0.15: v71.25,177 71.02,177.23 arc45 70.31,177.53 70.03,177.53 70.01,177.5 48.71,177.5 arc-45 48.01,177.79 47.32,178.48 arc-45 47.02,179.19 47.02,180.86 arc-45 47.32,181.57 v47.75,182
  Bottom 0.15: Q20.4 48.3,182.2 R330.1 v47.75,182 | S102.3 71.61,176.85 arc-45 v71.25,177
POWER_SWITCH5  (via drill 0.3)
  Top 0.15: v200.25,177 200.02,177.23 arc45 199.31,177.53 199.03,177.53 199.01,177.5 177.71,177.5 arc-45 177.01,177.79 176.32,178.48 arc-45 176.03,179.19 176.03,180.86 arc-45 176.32,181.57 v176.75,182
  Bottom 0.15: Q24.4 177.3,182.2 R408.1 v176.75,182 | S123.3 200.61,176.85 arc-45 v200.25,177
POWER_SWITCH6  (via drill 0.3)
  Top 0.15: v71.25,258 71.02,258.23 arc45 70.31,258.52 70.03,258.52 70.01,258.5 48.71,258.5 arc-45 48.01,258.79 47.32,259.48 arc-45 47.02,260.19 47.02,261.86 arc-45 47.32,262.57 v47.75,263
  Bottom 0.15: Q28.4 48.3,263.2 R486.1 v47.75,263 | S144.3 71.61,257.85 arc-45 v71.25,258
POWER_SWITCH7  (via drill 0.3)
  Top 0.15: v200.25,258 200.02,258.23 arc45 199.31,258.52 199.03,258.52 199.01,258.5 177.71,258.5 arc-45 177.01,258.79 176.32,259.48 arc-45 176.03,260.19 176.03,261.86 arc-45 176.32,262.57 v176.75,263
  Bottom 0.15: Q32.4 177.3,263.2 R564.1 v176.75,263 | S165.3 200.61,257.85 arc-45 v200.25,258
PWM2_SPK_PWM  (via drill 0.3)
  3V3@2 0.15: v58,58.25 58.25,58 58.25,49.75 56,47.5 v55.5,47.5
  Bottom 0.15: IC1.44 59.46,57.2 arc-45 58.76,57.49 v58,58.25 | v55.5,47.5 41.98,47.5 arc-45 41.84,47.56 41.76,47.64 arc45 41.62,47.7 40.91,47.7 arc-45 40.21,47.99 39.84,48.36 arc-45 39.55,49.06 39.55,50.43 arc45 39.18,51.32 37.74,52.76 arc45 37.21,52.98 36.98,52.98 arc-90 36.48,53.48 36.48,53.69 arc45 36.29,54.13 arc-45 36,54.84 36,65.4 arc90 35,66.4 C105.2
PWM2_SPK_PWM1  (via drill 0.3)
  3V3@2 0.15: v187,58.25 187.25,58 187.25,49.75 185,47.5 v184.5,47.5
  Bottom 0.15: IC20.44 188.46,57.2 arc-45 187.76,57.49 v187,58.25 | v184.5,47.5 170.98,47.5 arc-45 170.84,47.56 170.76,47.64 arc45 170.62,47.7 169.91,47.7 arc-45 169.21,47.99 168.84,48.36 arc-45 168.55,49.06 168.55,50.43 arc45 168.18,51.32 166.75,52.76 arc45 166.21,52.98 165.97,52.98 arc-90 165.47,53.48 165.47,53.69 arc45 165.29,54.13 arc-45 165,54.84 165,65.4 arc90 164,66.4 C213.2
PWM2_SPK_PWM2  (via drill 0.3)
  3V3@2 0.15: v58,139.25 58.25,139 58.25,130.75 56,128.5 v55.5,128.5
  Bottom 0.15: IC38.44 59.46,138.2 arc-45 58.76,138.49 v58,139.25 | v55.5,128.5 41.98,128.5 arc-45 41.84,128.56 41.76,128.64 arc45 41.62,128.7 40.91,128.7 arc-45 40.21,128.99 39.84,129.36 arc-45 39.55,130.06 39.55,131.43 arc45 39.18,132.32 37.74,133.75 arc45 37.21,133.97 36.98,133.97 arc-90 36.48,134.47 36.48,134.69 arc45 36.29,135.13 arc-45 36,135.84 36,146.4 arc90 35,147.4 C321.2
PWM2_SPK_PWM3  (via drill 0.3)
  3V3@2 0.15: v187,139.25 187.25,139 187.25,130.75 185,128.5 v184.5,128.5
  Bottom 0.15: IC56.44 188.46,138.2 arc-45 187.76,138.49 v187,139.25 | v184.5,128.5 170.98,128.5 arc-45 170.84,128.56 170.76,128.64 arc45 170.62,128.7 169.91,128.7 arc-45 169.21,128.99 168.84,129.36 arc-45 168.55,130.06 168.55,131.43 arc45 168.18,132.32 166.75,133.75 arc45 166.21,133.97 165.97,133.97 arc-90 165.47,134.47 165.47,134.69 arc45 165.29,135.13 arc-45 165,135.84 165,146.4 arc90 164,147.4 C429.2
PWM2_SPK_PWM4  (via drill 0.3)
  3V3@2 0.15: v58,220.25 58.25,220 58.25,211.75 56,209.5 v55.5,209.5
  Bottom 0.15: IC74.44 59.46,219.2 arc-45 58.76,219.49 v58,220.25 | v55.5,209.5 41.98,209.5 arc-45 41.84,209.56 41.76,209.64 arc45 41.62,209.7 40.91,209.7 arc-45 40.21,209.99 39.84,210.36 arc-45 39.55,211.06 39.55,212.43 arc45 39.18,213.32 37.74,214.75 arc45 37.21,214.97 36.98,214.97 arc-90 36.48,215.47 36.48,215.69 arc45 36.29,216.13 arc-45 36,216.84 36,227.4 arc90 35,228.4 C537.2
PWM2_SPK_PWM5  (via drill 0.3)
  3V3@2 0.15: v187,220.25 187.25,220 187.25,211.75 185,209.5 v184.5,209.5
  Bottom 0.15: IC92.44 188.46,219.2 arc-45 187.76,219.49 v187,220.25 | v184.5,209.5 170.98,209.5 arc-45 170.84,209.56 170.76,209.64 arc45 170.62,209.7 169.91,209.7 arc-45 169.21,209.99 168.84,210.36 arc-45 168.55,211.06 168.55,212.43 arc45 168.18,213.32 166.75,214.75 arc45 166.21,214.97 165.97,214.97 arc-90 165.47,215.47 165.47,215.69 arc45 165.29,216.13 arc-45 165,216.84 165,227.4 arc90 164,228.4 C645.2
PWM2_SPK_PWM6  (via drill 0.3)
  3V3@2 0.15: v58,301.25 58.25,301 58.25,292.75 56,290.5 v55.5,290.5